# KiCad board teensy_arena_12-12.kicad_pcb (continued)
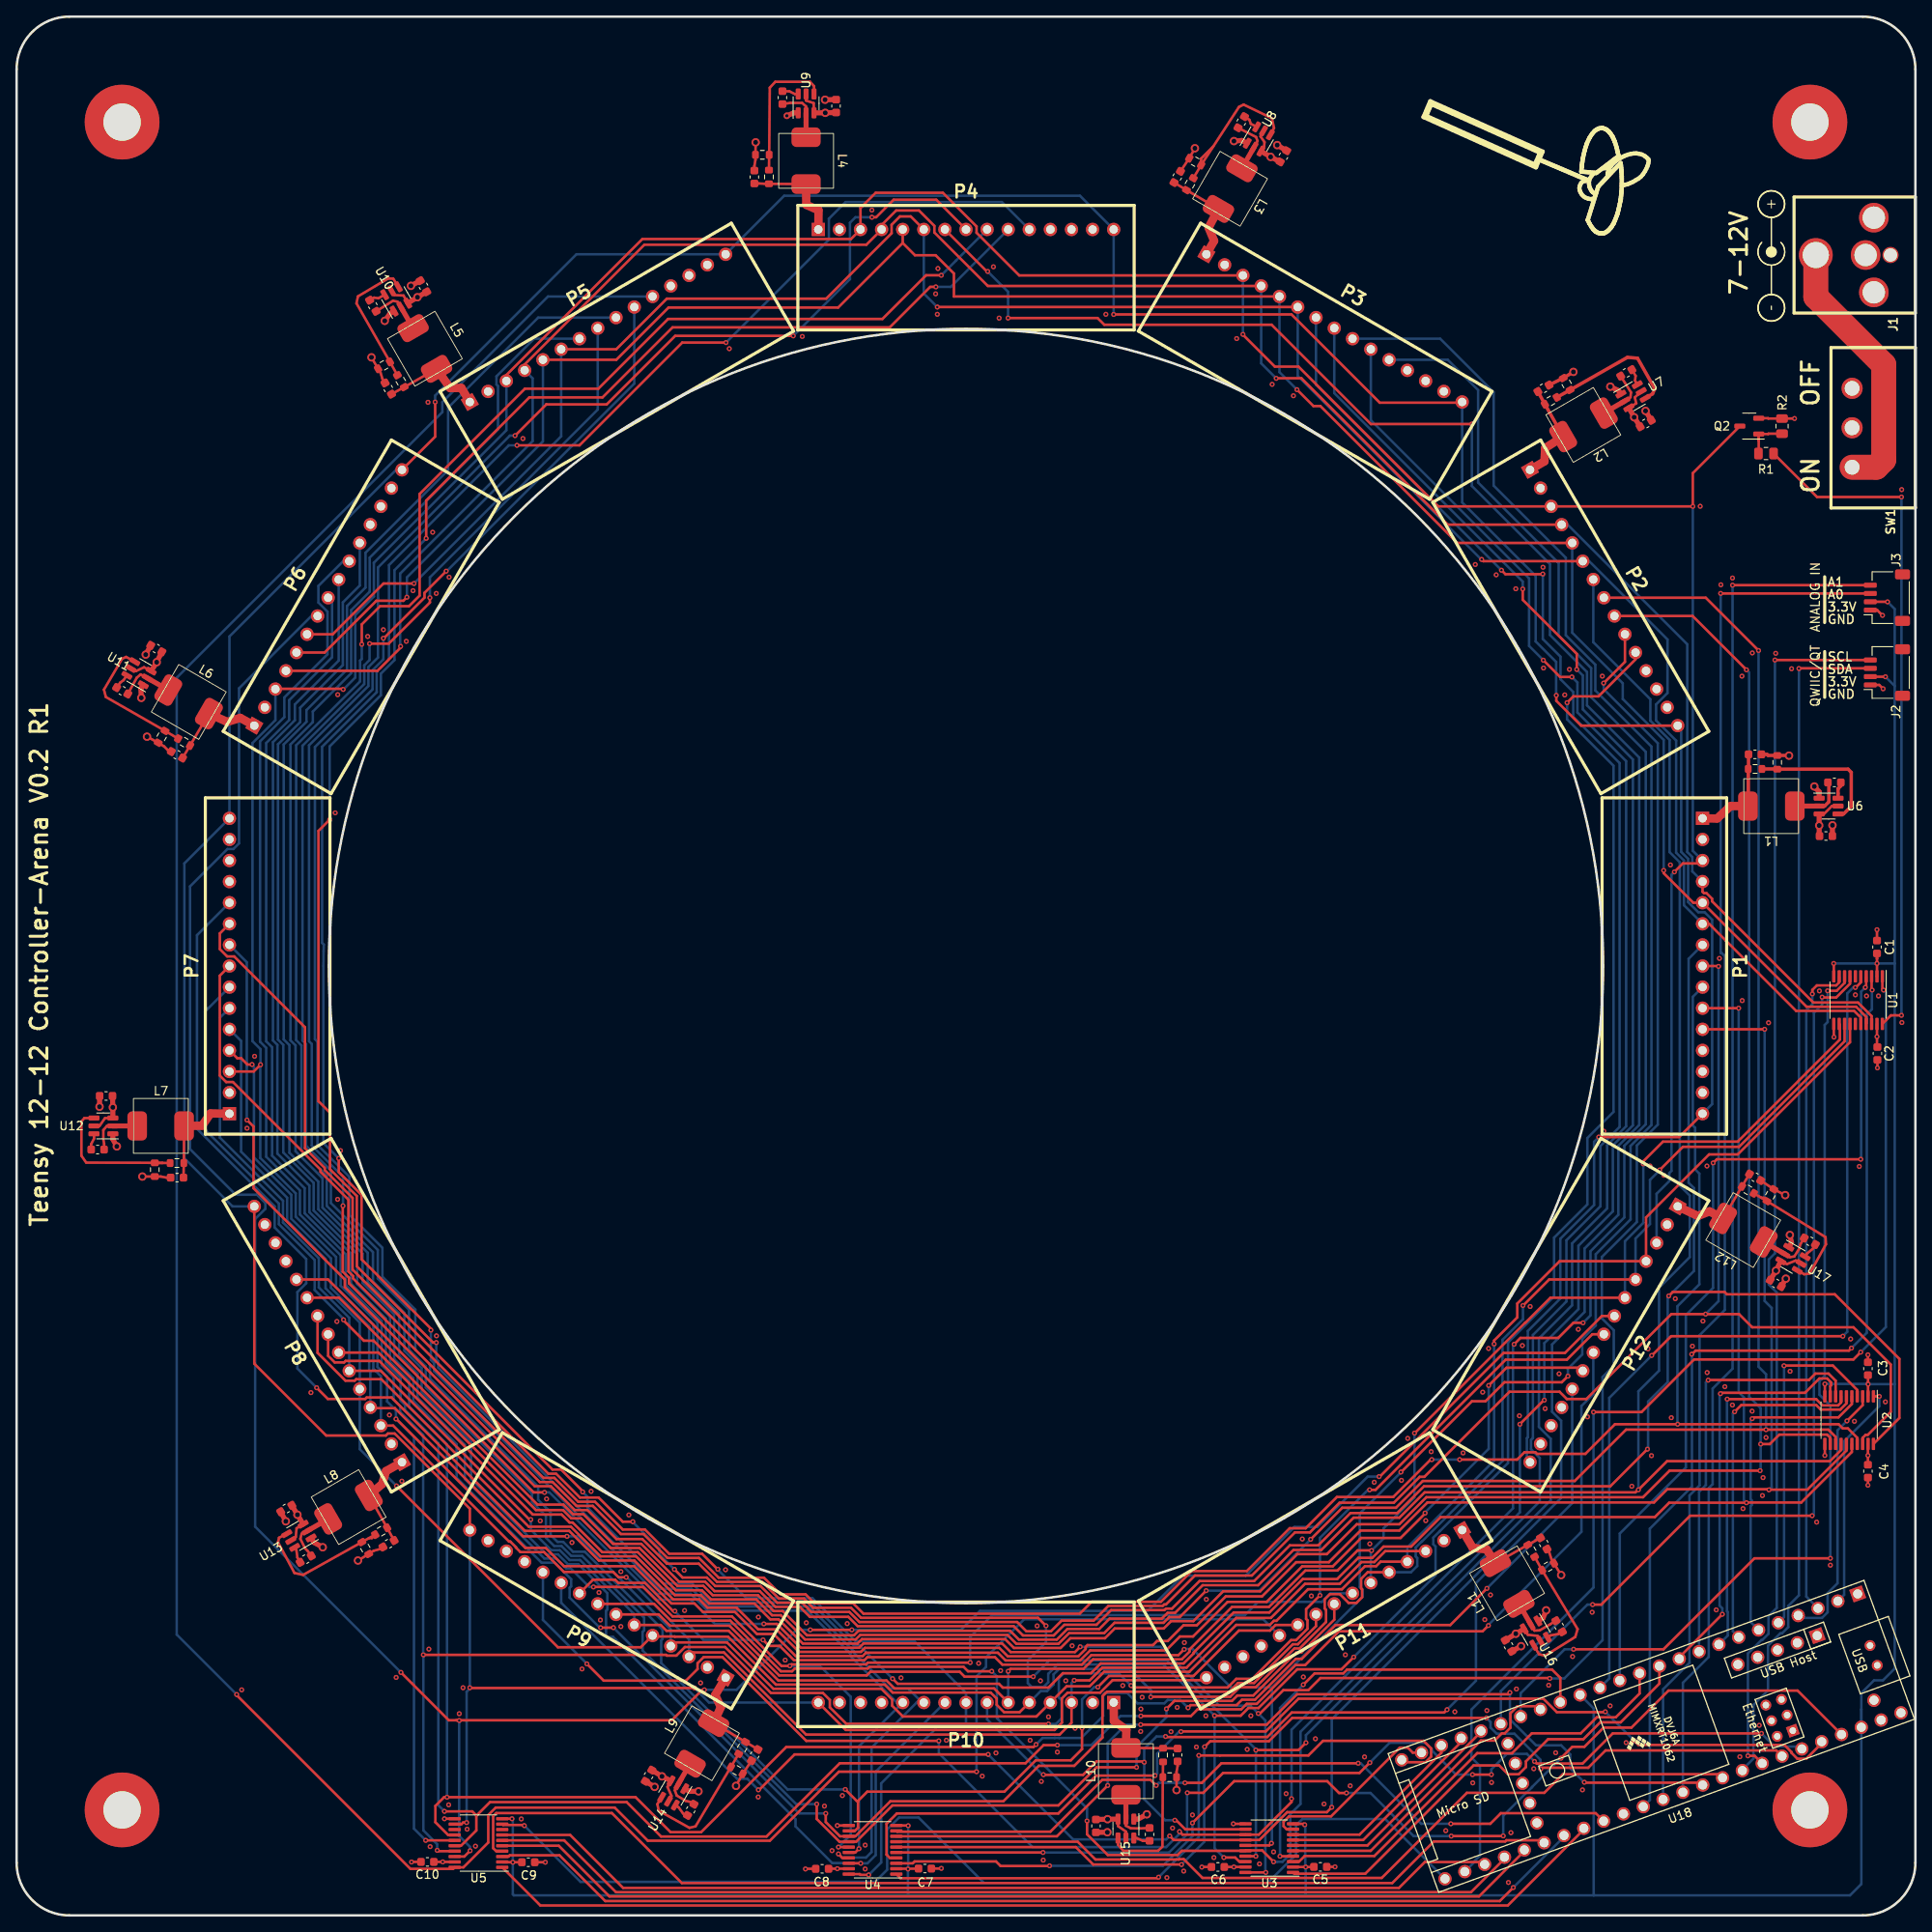
[diagram p0: board, top side]
## Routing (per net, layer and track width the routed paths; a pad name or vN(x,y) marks a point on that pad's centre or on a via; arc(x,y) is an arc through that point) (continued)
/Level Shifters/PAN5V.CS_18: length 301.6
  Top w0.3: U4.17 99.42,6.92 v1(98.94,7.4) ; v1(110.67,196.06) 110,196.06 105.12,191.19 78.97,191.19 70.54,182.75 61.72,182.75 49.31,170.34 v1(49.31,165.79) ; v1(50.53,68.96) 50.14,68.96 40.95,78.15 40.95,86.61 37.73,89.83 37.73,96.64 36.34,98.03 36.34,130.57 v1(37.69,131.91)
  Bottom w0.3: v1(50.53,68.96) 50.53,66.96 50.76,66.72 50.76,65.95 77.39,39.32 81.26,39.32 83.39,37.19 95.41,37.19 100.87,31.72 100.87,31.56 105.13,27.31 107.34,27.31 108.69,25.96 108.36,25.63 ; v1(49.31,165.79) 49.31,165.77 45.49,161.95 45.49,151.13 43.86,149.5 43.86,146.9 37.69,140.74 v1(37.69,131.91) ; P4.10 112.47,196.06 v1(110.67,196.06) ; 108.36,25.63 102.93,20.2 102.93,7.63 102.26,6.96 99.38,6.96 v1(98.94,7.4) ; 108.36,25.63 P10.10
/Level Shifters/PAN5V.CS_19: length 298.3
  Top w0.3: v1(101.42,8.03) 100.96,7.57 U4.16 ; v1(60.25,176.98) 67.76,176.98 80.14,189.36 v1(85.41,189.36) ; v1(38.78,91.14) 38.78,89.49 41.53,86.74 41.53,78.99 49.88,70.65 v1(49.88,70.46)
  Bottom w0.3: v1(85.41,189.36) 97.79,201.74 97.79,204.27 99.8,206.27 118.62,206.27 P4.11 ; v1(60.25,176.98) 59.26,176.98 44.83,162.56 44.83,151.18 43.35,149.71 43.35,147.27 36.78,140.69 36.78,117.08 36.98,116.88 36.95,116.07 36.93,114.3 36.93,92.98 v1(38.78,91.14) ; v1(101.42,8.03) 101.42,8.03 101.42,20.37 P10.11 105.97,25.63 100.37,31.23 100.37,31.51 95.2,36.68 83.18,36.68 81.16,38.71 77.07,38.71 50.26,65.52 50.26,66.52 49.88,66.9 v1(49.88,70.46)
/Level Shifters/PAN5V.CS_20: length 314.2
  Top w0.3: v1(114.81,30.44) 114.8,30.43 102.48,30.43 102.27,30.22 93.27,30.22 v1(93.09,30.04) 93.08,30.03 92.08,30.03 86.12,35.99 78.98,35.99 75.43,39.53 72.23,39.53 72.22,39.55 69.45,39.55 v1(69.45,39.54) ; U4.15 v1(98.94,8.22)
  Bottom w0.3: v1(69.45,39.54) 68.94,39.54 66.71,41.78 66.17,41.78 64.98,42.97 63.54,42.97 53.96,52.54 53.96,56.65 48.26,62.36 48.26,65.2 46.05,67.41 46.05,72.47 42.27,76.25 42.27,79.78 36.83,85.22 36.83,88.75 33.58,92 33.58,104.75 32.97,105.36 32.97,140.97 35.66,143.66 35.66,144.93 40.28,149.55 40.28,157.14 42.51,159.37 42.51,163.46 57.96,178.91 57.96,184.12 57.77,184.31 57.77,185.29 62.31,189.82 P5.7 ; v1(114.81,30.44) 114.81,33.52 117.44,36.15 147.88,36.15 149.47,37.75 157.16,37.75 158.18,38.78 P11.7 ; v1(93.09,30.04) 96.7,30.04 100.42,26.33 100.42,9.7 v1(98.94,8.22)
/Level Shifters/PAN5V.CS_21: length 302.5
  Top w0.3: P11.8 158.64,35.6 154.67,31.64 154.06,31.64 148.89,26.47 146.97,26.47 146.31,25.82 139.39,25.82 v1(138.43,24.86) ; v1(49.76,158.64) 49.76,158.06 44.81,153.11 v1(42.49,153.11) ; v1(96.33,13.4) 96.33,11.61 99.07,8.87 U4.14 101.08,8.87 105.44,13.24 125.42,13.24 130.02,17.83 v1(134.83,17.83)
  Bottom w0.3: v1(42.49,153.11) 42.49,151.14 41.85,150.5 41.85,148.25 34.42,140.82 34.42,105.32 34.85,104.89 34.85,92.66 37.84,89.67 37.84,85.76 43.48,80.11 43.48,76.68 47.24,72.92 47.24,68.12 49.26,66.1 49.26,63.57 62.04,50.78 62.04,49.77 63.73,48.08 63.73,45.47 64.73,44.47 65.6,44.47 66.78,43.28 68.1,43.28 75.55,35.83 75.55,34.31 75.36,34.13 75.36,31.89 93.86,13.4 v1(96.33,13.4) ; v1(138.43,24.86) 138.43,23.88 134.83,20.28 v1(134.83,17.83) ; P5.8 69.96,181.29 49.76,161.08 v1(49.76,158.64)
/Level Shifters/PAN5V.CS_22: length 308.7
  Top w0.3: v1(71.85,34.64) v1(70.31,34.64) ; v1(97.42,12.27) 97.42,11.24 99.13,9.52 U4.13 100.98,9.52 105.19,13.74 118.79,13.74 123.06,18.01 127.33,18.01 130.73,21.41 130.73,26.39 131.28,26.93 146.01,26.93 147.05,27.98 148.98,27.98 153.64,32.64 154.26,32.64 156.44,34.82 P11.9
  Bottom w0.3: v1(71.85,34.64) 94.22,12.27 v1(97.42,12.27) ; v1(70.31,34.64) 70.2,34.64 66.58,38.26 66.58,39.43 66.76,39.62 66.76,40.47 64.77,42.47 63.2,42.47 52.98,52.69 52.98,56.73 47.76,61.94 47.76,64.68 45.46,66.99 45.46,72.35 41.66,76.15 41.66,79.68 36.32,85.02 36.32,88.34 32.84,91.82 32.84,104.78 32.16,105.46 32.16,140.97 34.9,143.71 34.9,145.11 39.78,149.99 39.78,157.63 42.01,159.86 42.01,164.05 51.94,173.99 51.94,181.51 62.79,192.36 P5.9
/Level Shifters/PAN5V.CS_23: length 298.2
  Top w0.3: v1(51.72,161.84) 49.11,159.22 49.11,158.66 44.21,153.76 v1(44.15,153.76) ; v1(130.18,27.48) 131.51,28.82 141.68,28.82 147.15,34.29 150.9,34.29 151.58,34.97 P11.10 ; 100.19,10.17 100.91,10.17 101.3,10.56 101.3,13.78 ; v1(99.77,15.16) 101.15,13.78 101.3,13.78 ; 101.3,13.78 102.41,14.89 118.93,14.89 122.7,18.67 126.92,18.67 128.27,20.02 v1(128.27,22.56)
  Bottom w0.3: v1(44.15,153.76) 44.15,151.22 42.85,149.91 42.85,147.6 35.92,140.67 35.92,105.49 36.22,105.18 36.22,92.76 40.06,88.93 40.06,84.35 44.04,80.37 44.04,76.89 48.01,72.92 48.01,68.06 49.76,66.31 49.76,64.64 62.79,51.61 62.79,50.04 64.29,48.54 64.29,45.8 65.12,44.97 65.81,44.97 66.99,43.78 68.41,43.78 77.76,34.43 77.76,33.27 77.6,33.11 77.6,30.38 92.82,15.16 v1(99.77,15.16) ; v1(128.27,22.56) 128.27,26.01 129.74,27.48 v1(130.18,27.48) ; v1(51.72,161.84) 51.78,161.84 74.36,184.42 P5.10
/Level Shifters/PAN5V.CS_24: length 362.6
  Top w0.3: v1(115.57,17.3) 98.99,17.3 90.68,8.99 75.99,8.99 72,12.98 57.68,12.98 56.78,12.08 56.78,8.77 53.79,5.78 U5.20 52.56,5.6 47.41,5.6 26.49,26.52 v1(26.49,26.59)
  Bottom w0.3: v1(26.49,26.59) 19.28,33.81 19.28,149.01 51.26,180.98 51.26,182.19 63.97,194.9 P5.11 ; P11.11 150.08,35.65 121.3,35.65 116.71,31.06 116.71,29.92 115.57,28.78 v1(115.57,17.3)
/Level Shifters/PAN5V.CS_25: length 334.8
  Top w0.3: U5.18 53.9,7.08 v1(54.59,7.78) ; v1(82.8,27.15) 82.54,27.15 78.88,23.49 52.92,23.49 ; P12.7 190.86,72.16 186.41,67.72 179.01,67.72 164.12,52.83 v1(164.03,52.83) ; 52.92,23.49 53.26,23.49 v1(53.29,23.46) ; 52.92,23.49 52.03,23.49 v1(46.27,29.25) ; v1(95.55,34.37) v1(100.55,34.37)
  Bottom w0.3: v1(82.8,27.15) 82.81,27.16 86.67,27.16 93.88,34.37 v1(95.55,34.37) ; v1(46.27,29.25) 28.72,46.8 28.72,83.84 29.95,85.06 29.95,85.76 28.94,86.77 26.37,86.77 20.88,92.25 20.88,123.88 25.38,128.39 26.1,128.39 26.78,129.06 26.78,147.73 35.49,156.44 P6.7 ; v1(53.29,23.46) 53.28,23.45 53.28,9.56 54.59,8.24 v1(54.59,7.78) ; v1(164.03,52.83) 162.66,52.83 156.6,46.76 153.85,46.76 147.98,40.89 140.41,40.89 136.17,36.65 115.97,36.65 113.69,34.37 v1(100.55,34.37)
/Level Shifters/PAN5V.CS_26: length 341.7
  Top w0.3: v1(124.23,23.04) 124.21,23.06 99.89,23.06 97.91,25.05 97.91,25.94 97.07,26.78 90.82,26.78 85.29,32.31 80.46,32.31 79.43,31.28 78.29,31.28 78.19,31.37 v1(48.97,31.37) ; U5.17 50.74,7.73 v1(50.63,7.84) ; v1(156.92,38.53) 155.25,36.86 155.25,35.69 155.41,35.53 155.41,34.5 154.05,33.14 153.43,33.14 148.77,28.48 146.84,28.48 145.8,27.43 134.4,27.43 v1(134.16,27.67) ; P12.8 189.7,69.96 186.64,66.9 179.27,66.9 163.6,51.23 v1(162.89,51.23)
  Bottom w0.3: v1(134.16,27.67) 132.7,29.13 126.06,29.13 125.48,28.55 125.48,26.24 125.81,25.91 125.81,23.72 125.12,23.04 v1(124.23,23.04) ; v1(162.89,51.23) 162.69,51.23 156.92,45.46 v1(156.92,38.53) ; P6.8 37.98,158.17 37.98,151.46 32.82,146.3 32.82,143.91 30.05,141.14 30.05,105.23 30.76,104.52 30.76,91.47 34.68,87.54 34.68,84.53 39.62,79.59 39.62,75.9 43.95,71.57 43.95,66.24 45.39,64.8 45.39,62.11 46.17,61.33 46.17,60.61 48.95,57.84 48.95,31.39 v1(48.97,31.37) 48.97,10.23 50.63,8.57 v1(50.63,7.84)
/Level Shifters/PAN5V.CS_27: length 342.1
  Top w0.3: v1(135.36,24) 141.38,24 142.18,24.81 147.43,24.81 148.09,25.47 149.31,25.47 153.97,30.13 155.13,30.13 159.21,34.2 176.49,34.2 v1(177.19,34.9) ; 55.32,12.06 54.86,12.52 v1(51.51,12.52) ; 55.42,12.06 57,13.64 73.44,13.64 77.59,9.49 90.28,9.49 99.11,18.32 121.47,18.32 123.64,20.5 v1(125.3,20.5) ; U5.16 53.5,8.38 55.35,10.23 55.35,11.99 55.27,12.06
  Bottom w0.3: P6.9 38.78,151.07 33.5,145.8 33.5,143.89 30.86,141.25 30.86,105.34 31.39,104.81 31.39,91.72 35.26,87.86 35.26,84.67 40.26,79.66 40.26,76.05 44.45,71.86 44.45,66.45 46.23,64.67 46.23,61.98 46.76,61.44 46.76,60.88 50.77,56.87 50.77,13.26 v1(51.51,12.52) ; P12.9 189.82,62.76 188.39,61.32 188.39,46.18 177.19,34.98 v1(177.19,34.9) ; v1(135.36,24) 132.9,24 129.39,20.5 v1(125.3,20.5)
/Level Shifters/PAN5V.CS_28: length 346.1
  Top w0.3: P12.10 188.18,65.94 179.37,65.94 v1(177.23,63.8) ; v1(169.57,48.44) 169.57,48.39 166.62,45.44 161.87,45.44 158.46,42.02 154.77,42.02 150.5,37.74 145.8,37.74 141.63,33.58 140.06,33.58 138.38,31.9 129.25,31.9 128.04,30.69 119.07,30.69 118.14,31.62 102.26,31.62 101.86,31.22 93.8,31.22 91.14,33.88 89.13,33.88 86.47,36.54 82.62,36.54 81.61,37.55 78.83,37.55 74.34,42.04 65.9,42.04 63.71,44.24 61.25,44.24 45.72,59.77 v1(45.67,59.77) ; U5.15 v1(49.25,9.03)
  Bottom w0.3: v1(169.57,48.44) 169.57,48.51 177.23,56.17 v1(177.23,63.8) ; v1(49.25,9.03) 47.84,10.44 47.84,57.6 v1(45.67,59.77) 45.67,60.81 44.6,61.87 44.6,64.88 43.45,66.03 43.45,71.36 39.01,75.8 39.01,79.48 34.1,84.39 34.1,87.28 30.05,91.34 30.05,104.44 29.31,105.18 29.31,141.35 32.23,144.27 32.23,146.63 37.43,151.83 37.43,156.96 36.34,158.05 36.34,160.06 39.32,163.04 P6.10
/Level Shifters/PAN5V.CS_29: length 340.9
  Top w0.3: U5.14 51.95,9.68 50.42,11.21 50.42,13.18 51.47,14.23 v1(51.82,14.23) 74.52,14.23 78.73,10.02 82.41,10.02 92.66,20.27 122.43,20.27 v1(122.73,20.57) ; v1(177.02,39.37) 172.6,34.95 158.79,34.95 154.72,30.88 154.02,30.88 149.1,25.97 147.53,25.97 146.87,25.31 141.35,25.31 v1(141.03,25)
  Bottom w0.3: P6.11 41.32,160.11 39.28,158.07 39.28,150.53 34.14,145.39 34.14,143.66 31.47,141 31.47,105.44 32.11,104.8 32.11,91.85 35.76,88.19 35.76,84.86 41,79.63 41,76.02 44.95,72.06 44.95,66.65 47.26,64.34 47.26,61.25 51.82,56.69 v1(51.82,14.23) ; P12.11 187.28,49.64 v1(177.02,39.37) ; v1(141.03,25) 140.09,25.93 138.58,25.93 138.18,25.53 134.94,25.53 134.46,26.01 134.46,26.02 133.7,26.78 131.03,26.78 130.81,26.56 130.81,24 128.17,21.36 125.54,21.36 125.53,21.37 124.99,21.37 124.98,21.36 123.52,21.36 v1(122.73,20.57)
/Level Shifters/PAN5V.EXT_INT: length 614.8
  Top w0.3: U5.12 53.55,10.98 53.75,11.18 v1(54.18,11.18) ; P1.15 200.16,93.7 v1(190.48,93.7) ; P2.15 188.36,143.24 185.37,146.23 v1(185.37,146.89) ; v1(50.39,182.19) 50.39,178.03 P6.15 ; v1(54.57,27.41) 54.6,27.38 v1(81.61,27.38) ; v1(132.08,192.74) 153.49,192.74 164.11,182.12 173.95,182.12 P3.15 ; P11.15 142.94,28.32 131.95,28.32 130.44,26.81 126.53,26.81 125.85,26.13 125.85,23.21 124.97,22.33 99.82,22.33 P10.15 ; P9.15 54.57,48.96 45.52,58.01 44.7,58.01 44.46,57.77 37.27,57.77 28.62,66.43 P8.15
  Bottom w0.3: P9.15 v1(54.57,27.41) 54.57,27.31 54.18,26.92 v1(54.18,11.18) ; v1(50.39,182.19) 50.39,182.98 67.4,199.98 P5.15 92.41,207.04 128.02,207.04 P4.15 v1(132.08,192.74) ; v1(190.48,93.7) 189.92,93.14 189.92,85.52 185.86,81.46 185.86,74.27 181.94,70.36 181.94,57.56 181.82,57.45 181.82,54.95 P12.15 ; v1(81.61,27.38) 83.36,25.63 P10.15 ; P2.15 200.41,142.82 200.41,128.04 201.24,127.21 201.24,122 202.47,120.77 203.23,120.77 204.13,119.86 204.13,97.68 P1.15 ; P6.15 45.69,174.03 25.63,153.97 P7.15 20.19,126.65 20.19,91.16 25.99,85.36 P8.15 ; P3.15 174.03,170.11 182.88,161.26 182.88,153.38 185.35,150.91 185.35,146.91 v1(185.37,146.89)
/Level Shifters/PAN5V.MISO_0: length 283.4
  Top w0.3: P5.6 72.19,188.55 78.28,194.65 97.47,194.65 105.34,202.52 105.34,203.54 106.35,204.55 107.65,204.55 P4.6 ; P1.6 203.76,119.38 214.24,108.9 221.23,108.9 222.03,108.1 U1.16 ; v1(47.84,160.35) 44.17,160.35 38.06,154.24 P6.6 ; P3.6 v1(110.85,193.63) ; v1(176.38,163.25) 176.59,163.04 P2.6
  Bottom w0.3: v1(47.84,160.35) 65.56,178.07 P5.6 ; P3.6 154.24,185.34 176.33,163.25 v1(176.38,163.25) ; P2.6 189.32,163.04 198.75,153.6 198.75,147.17 197.38,145.8 197.38,143.85 199.8,141.44 199.8,127.94 200.74,127 200.74,121.62 P1.6 ; P4.6 109.22,195.26 v1(110.85,193.63)
/Level Shifters/PAN5V.MISO_1: length 302.9
  Top w0.3: v1(61.9,47.66) 61.74,47.66 43.83,65.56 P8.6 ; P9.6 77.54,34.97 78.24,34.26 85.73,34.26 91.71,28.28 104.72,28.28 105.68,27.33 117.68,27.33 P10.6 ; P12.6 184.66,74.36 181.66,71.37 181.63,71.37 168.33,58.06 v1(168.3,58.06) ; v1(119.38,29.39) 119.68,29.69 128.45,29.69 129.59,30.83 140.28,30.83 141.21,31.76 141.21,32.02 146.33,37.13 150.77,37.13 155.16,41.52 159.02,41.52 161.44,43.94 163.09,43.94 v1(163.12,43.92) ; U1.12 219.51,107.24 219.51,105.45 207.21,93.15 198.2,93.15 195.84,90.79 v1(195.84,90.47)
  Bottom w0.3: P11.6 163.04,43.83 v1(163.12,43.92) 164.57,45.36 164.57,46.59 168.3,50.32 168.3,58.06 v1(168.3,58.06) ; v1(119.38,29.39) P10.6 ; v1(61.9,47.66) 61.9,46.43 64.36,43.97 65.39,43.97 66.58,42.78 67.84,42.78 74.36,36.25 P9.6 ; P12.6 193.63,81.16 195.84,83.37 v1(195.84,90.47) ; P8.6 40.05,71.94 36.38,75.6 36.38,79.11 32.07,83.42 32.07,86.04 24.47,93.64 24.47,108.07 P7.6
/Level Shifters/PAN5V.MOSI_0: length 281.4
  Top w0.3: v1(198.3,125.81) 198.3,125.48 201.85,121.92 P1.5 215.5,109.4 221.46,109.4 222.68,108.18 U1.17 ; P5.5 72.2,187.28 78.49,193.57 98.91,193.57 106.68,201.35 ; 106.68,201.35 108.15,199.87 110.64,199.87 112.84,197.67 112.84,194.9 P3.5 ; 106.68,201.35 P4.5 ; v1(46.99,158.7) 46.56,158.27 43.31,158.27 37.08,152.04 P6.5 ; v1(154.15,183.69) 156.12,181.71 156.97,181.71 173.45,165.24 P2.5
  Bottom w0.3: P5.5 63.36,177.46 46.99,161.09 v1(46.99,158.7) ; v1(154.15,183.69) 152.04,185.8 P3.5 ; v1(198.3,125.81) 198.3,141.52 193.37,146.45 193.37,148.34 187.28,154.43 P2.5
/Level Shifters/PAN5V.MOSI_1: length 311.3
  Top w0.3: P12.5 184.51,76.56 181.37,73.42 v1(181.35,73.42) ; U1.13 220.08,105.24 207.37,92.53 200.61,92.53 v1(197.82,89.74) ; P10.5 120.75,24.46 118.88,24.46 117.99,25.35 117.99,26.1 117.27,26.83 105.47,26.83 104.52,27.78 91.42,27.78 85.65,33.55 79.26,33.55 79.24,33.58 76.44,33.58 75.15,32.28 65.16,32.28 v1(45.74,51.71) ; P11.5 162.66,41.32 161.87,40.52 161.87,39.37 161.99,39.25 161.99,38.3 161.31,37.62 160.36,37.62 159.31,38.67 158.11,38.67 157.49,38.04 157.49,36.94 157.65,36.78 157.65,35.32 154.46,32.14 153.85,32.14 149.19,27.48 147.26,27.48 146.1,26.32 136.59,26.32 v1(136.55,26.28)
  Bottom w0.3: P12.5 194.9,81.49 196.65,83.24 196.65,88.54 197.82,89.71 v1(197.82,89.74) ; v1(45.74,51.71) 41.32,56.13 41.32,71.37 37.19,75.5 37.19,79.04 32.57,83.66 32.57,86.4 27.03,91.95 27.03,105.28 P7.5 ; P10.5 123.3,27.01 124.06,27.01 124.84,27.79 124.84,29.01 125.5,29.67 133.99,29.67 136.55,27.1 v1(136.55,26.28) ; v1(181.35,73.42) 181.35,71.76 178.89,69.3 178.89,54.71 169.19,45.01 169.16,45.01 168.45,44.29 168.45,43.21 168.63,43.02 168.63,42.06 167.88,41.32 P11.5
/Level Shifters/PAN5V.RESET: length 82.7
  Top w0.3: R1.2 216.76,170.76 v1(226.92,170.76) ; v1(226.92,108.36) 225.66,108.36 U1.20
  Bottom w0.3: v1(226.92,108.36) v1(226.92,170.76)
/Level Shifters/PAN5V.SCK_0: length 289.8
  Top w0.3: v1(46.23,152.78) 46.23,152.63 43.44,149.84 P6.4 ; P1.4 202.97,123.24 203.14,123.07 203.45,123.07 204.12,122.4 204.12,122.09 216.31,109.9 221.69,109.9 223.33,108.26 U1.18 ; P2.4 172.31,167.44 154.68,185.06 151.66,185.06 v1(151.65,185.05) ; P3.4 116.93,196.17 110.49,202.61 110.49,203.4 108.64,205.26 105.89,205.26 104.14,203.5 P4.4 102.3,201.14 75.57,201.14 61.16,186.73 P5.4
  Bottom w0.3: P5.4 62.13,185.05 62.13,177.5 46.18,161.54 46.18,152.83 v1(46.23,152.78) ; P2.4 186.73,167.44 201.13,153.03 201.13,128.03 201.74,127.42 201.74,125.69 P1.4 ; P3.4 149.84,186.86 v1(151.65,185.05)
/Level Shifters/PAN5V.SCK_1: length 295.5
  Top w0.3: v1(177.88,68.79) 177.88,69.21 180.67,72 180.67,73.66 185.77,78.76 P12.4 196.17,84.03 203.76,91.62 207.22,91.62 220.73,105.13 U1.14 ; P9.4 79.2,32.86 85.53,32.86 91.11,27.28 104.12,27.28 105.41,25.99 105.41,25.25 106.71,23.95 122.78,23.95 P10.4 126.42,27.58 129.19,27.58 130.93,29.33 141.19,29.33 146.84,34.98 150.88,34.98 151.37,35.47 151.67,35.47 155.47,39.26 159.55,39.26 162.33,42.04 163.67,42.04 164.22,42.59 P11.4 ; P8.4 42.69,61.07 45.54,61.07 60.97,45.64 v1(66.26,45.64) ; v1(28.35,102.44) 27.79,102.44 27.03,103.19 26.57,103.19 P7.4
  Bottom w0.3: P9.4 78.76,34.42 72.68,40.5 72.68,40.5 72.3,40.88 72.3,40.88 67.54,45.64 v1(66.26,45.64) ; P11.4 167.44,44.3 177.88,54.74 v1(177.88,68.79) ; v1(28.35,102.44) 28.58,102.21 28.58,91.24 33.07,86.75 33.07,83.87 37.85,79.1 37.85,75.55 42.44,70.95 42.44,65.62 42.59,65.48 P8.4
/Panel Headers/POW.5V_HDR_1: length 12.3
  Top w0.4: C13.2 208.51,138.06 R3.1 208.47,133.59 208.43,133.55
  Top w1: P1.1 204.72,132.06 206.35,133.55 208.43,133.55
/Panel Headers/POW.5V_HDR_2: length 12.4
  Top w0.4: L2.2 R5.1 C16.2
  Top w1: L2.2 184.02,176.66 183.95,175.06 182.2,174.04
/Panel Headers/POW.5V_HDR_3: length 12.4
  Top w0.3: L3.2 R7.1 C19.2
  Top w1: P3.1 144.17,201.6 143.51,203.2 L3.2
/Panel Headers/POW.5V_HDR_4: length 12.6
  Top w0.3: 95.05,208.43 R9.1 90.02,208.48 89.38,208.51 C22.2
  Top w1: 95.05,208.43 95.07,205.94 96.54,205.28 P4.1
/Panel Headers/POW.5V_HDR_5: length 12.4
  Top w0.3: C25.2 R11.1 L5.2
  Top w1: L5.2 52.2,183.87 53.54,183.9 54.56,182.2
/Panel Headers/POW.5V_HDR_6: length 12.2
  Top w0.3: L6.2 R13.1 C28.2
  Top w1: P6.1 26.92,144.17 25.35,143.69 L6.2
/Panel Headers/POW.5V_HDR_7: length 12.5
  Top w0.3: 20.17,95.05 R15.1 C31.2
  Top w1: P7.1 23.34,96.55 22.33,95.07 20.17,95.05
/Panel Headers/POW.5V_HDR_8: length 12.2
  Top w0.3: C34.2 R17.1 L8.2
  Top w1: 46.4,54.57 44.47,53.49 44.02,51.94 L8.2
/Panel Headers/POW.5V_HDR_9: length 12.4
  Top w0.3: C37.2 87.76,20.88 L9.2
  Top w1: P9.1 84.1,26.52 84.78,25.07 L9.2
/Panel Headers/POW.5V_HDR_10: length 12.5
  Top w0.3: C40.2 R21.1 133.55,20.17
  Top w1: P10.1 132.1,23.42 133.6,22.35 133.55,20.17
/Panel Headers/POW.5V_HDR_11: length 12.4
  Top w0.3: C43.2 R23.1 L11.2
  Top w1: L11.2 176.96,44.07 175.31,44.25 174.03,46.4
/Panel Headers/POW.5V_HDR_12: length 12.3
  Top w0.3: L12.2 207.72,87.76 C46.2
  Top w1: L12.2 203.81,84.76 202.41,84.2 P12.1
/Panel Headers/RESET: length 587.7
  Top w0.3: v1(39.32,147.6) 39.24,147.68 31.19,147.68 P6.3 ; P3.3 120.7,197.44 115.57,202.58 115.57,203.33 111.51,207.39 103.43,207.39 101.6,205.56 P4.3 100.45,201.82 75.33,201.82 58.96,185.45 P5.3 ; P10.3 127,23.19 125.58,21.77 95.05,21.77 85.16,31.66 81.46,31.66 P9.3 ; v1(199.58,125.63) 200.61,126.65 202.62,126.65 P1.3 ; P7.3 28.55,101.6 v1(29.36,102.41) ; P11.3 164.78,43.86 163.46,42.54 161.92,42.54 159.3,39.92 155.11,39.92 151.01,35.81 146.84,35.81 140.85,29.83 130.72,29.83 129.19,28.3 v1(127.33,28.3) ; v1(73.4,40.71) 72.47,40.71 71.83,41.35 65.88,41.35 63.5,43.74 60.66,43.74 60.11,44.28 60.11,44.33 59.44,45.01 59.29,45.01 45.33,58.96 P8.3 ; v1(147.64,190.35) 147.64,190.31 151.49,186.46 154.33,186.46 171.16,169.64 v1(201.8,169.64) 201.8,173.64 Q2.3
  Bottom w0.3: P5.3 58.96,178.8 43.01,162.85 43.01,158.78 40.78,156.55 40.78,149.03 39.34,147.6 v1(39.32,147.6) ; P9.3 80.96,33.21 73.47,40.71 v1(73.4,40.71) ; P10.3 127,27.97 v1(127.33,28.3) ; v1(147.64,190.35) P3.3 ; P8.3 43.86,64.92 42.95,65.83 42.95,71.16 38.46,75.65 38.46,79.27 33.6,84.12 33.6,86.92 29.34,91.19 29.34,102.39 v1(29.36,102.41) 29.36,104.29 28.4,105.26 28.4,141.14 31.16,143.9 P6.3 ; v1(201.8,169.64) 201.8,128.17 P1.3 ; P12.3 197.44,86.88 198.97,88.41 198.97,89.37 199.24,89.64 199.24,125.28 v1(199.58,125.63)
/Power & Voltage Regulators/SW_VCC: length 33
  Top w0.3: 217.32,199.69 217.12,199.9 J1.1
  Top w3: SW1.1 223.88,174.35 224.79,175.26 224.79,186.69 216.61,194.87 J1.1
/Teensy/A0: length 166.6
  Top w0.3: J3.3 205.16,159.15 v1(205.16,159.16)
  Bottom w0.3: v1(205.16,159.16) 205.16,115.86 205.27,115.86 205.65,115.48 205.65,72.89 202.62,69.85 202.62,51.77 201.41,50.56 201.41,30.41 198.22,27.22 U18.36
/Teensy/A1: length 164.4
  Top w0.3: J3.4 v1(206.59,160.15)
  Bottom w0.3: v1(206.59,160.15) 206.59,65.82 204.19,63.42 204.19,51.92 203.72,51.44 203.72,31.11 200.61,28.01 U18.37
/Teensy/SCL: length 147.7
  Top w0.3: U18.41 209.25,19.21 v1(208.44,19.21) ; J2.4 v1(211.69,151.14)
  Bottom w0.3: v1(208.44,19.21) 208.44,31.53 210.06,33.15 210.16,33.15 210.92,33.9 210.92,36.02 211.91,37.02 211.91,74.99 210.96,75.95 210.96,78.97 211.69,79.71 v1(211.69,151.14)
/Teensy/SDA: length 144.2
  Top w0.3: J2.3 214.6,150.14 v1(214.58,150.11)
  Bottom w0.3: U18.40 207.77,17.55 209.1,18.88 209.1,25.34 210.85,27.08 210.85,32.47 212.34,33.96 212.55,33.96 213.29,34.7 213.29,37.25 214.58,38.54 v1(214.58,150.11)
Net-(Q2-G): length 6
  Top w0.3: 209.74,177.57 209.74,176.03 R1.1 ; 209.74,177.57 Q2.1 ; 209.74,177.57 Q2.1 ; Q2.1 210.86,178.35 210.9,178.39 R2.2
Net-(U6-SW): length 6.7
  Top w0.3: 214.08,133.55 L1.1 ; 217.01,133.55 U6.2
  Top w0.4: 217.01,133.55 217.67,133.55 218.19,134.07 218.19,136.28 C12.2
  Top w0.6: 214.08,133.55 217.01,133.55
Net-(U6-VBST): length 2.6
  Top w0.3: U6.6 219.29,135.06 219.29,135.07 ; C12.1 219.62,136.4
  Top w0.4: 219.29,134.5 219.29,135.63 219.28,135.64 219.62,135.98 219.62,136.4
Net-(U6-VFB): length 17
  Top w0.3: 219.29,132.6 U6.4
  Top w0.4: R3.2 211.94,138.02 R4.1 220.5,138 220.88,137.62 220.88,133.53 219.95,132.6 219.29,132.6
Net-(U7-SW): length 6.7
  Top w0.3: U7.2 194.3,182.77 194.36,183.36 C15.2
  Top w0.6: L2.1 U7.2
Net-(U7-VBST): length 2.3
  Top w0.3: 194.98,184.54 U7.6 195.12,184.4 194.98,184.54 ; 194.98,184.54 194.84,184.79 194.92,185.34 C15.1
Net-(U7-VFB): length 17.5
  Top w0.3: U7.4 196.34,182.91 196.51,182.91 ; R6.1 187.03,183.66 ; R5.2 185.42,182.76
  Top w0.4: U7.4 196.95,183.19 197.23,183.79 195.15,187.48 193.93,187.58 187.03,183.66 185.42,182.76
Net-(U8-SW): length 6.7
  Top w0.3: C18.2 149.22,214.1 149.4,213.61 U8.2
  Top w0.6: L3.1 U8.2
Net-(U8-VBST): length 2
  Top w0.3: C18.1 148.41,216.18 148.59,215.7 U8.6
Net-(U8-VFB): length 19.6
  Top w0.3: 150.96,214.4 151.38,215.19 151.13,216.36 147.73,218.01 147.17,217.73 144.07,212.97 ; 150.96,214.4 150.94,214.39 U8.4 150.96,214.4 ; R8.1 142.61,211.51 144.07,212.97 ; R8.1 144.07,212.97 ; R8.1 R7.2
Net-(U9-SW): length 8.5
  Top w0.3: L4.1 95.05,214.82 95.05,214.82 ; 95.05,215.91 95.05,215.91 U9.2 ; 95.05,217.01 95.05,217.78 94.56,218.21 93.17,218.21 C21.2
  Top w0.6: 95.05,214.08 95.05,217.01
Net-(U9-VBST): length 2
  Top w0.3: C21.1 93.04,219.61 93.7,219.28 U9.6
Net-(U9-VFB): length 16.7
  Top w0.3: U9.4 96.01,220.22 95.53,220.75 91.34,220.75 90.68,220.04 R10.1 R9.2
Net-(U10-SW): length 6.7
  Top w0.3: U10.2 45.85,194.28 45.31,194.39 C24.2
  Top w0.6: L5.1 U10.2
Net-(U10-VBST): length 2
  Top w0.3: U10.6 43.56,194.69 43.03,194.77 C24.1
Net-(U10-VFB): length 16.8
  Top w0.3: R12.1 44.95,187.03 ; 44.95,187.03 44.94,187.03 40.92,194.08 41.1,194.92 44.73,197.08 45.34,197.05 U10.4 ; 44.95,187.03 45.84,185.42 R11.2
Net-(U11-SW): length 6.8
  Top w0.3: 13.44,147.15 C27.2 13.38,147.09 13.44,147.15 ; 13.44,147.15 14.48,149.02 14.94,149.4 U11.2
  Top w0.6: L6.1 U11.2
Net-(U11-VBST): length 2.1
  Top w0.3: 12.1,147.91 12.04,147.85 C27.1 12.1,147.91 ; 12.1,147.91 12.47,148.41 12.88,148.72 U11.6
Net-(U11-VFB): length 17
  Top w0.3: 14.2,150.96 U11.4 14.21,150.96 14.2,150.96 ; 14.2,150.96 13.18,151.51 12.7,151.28 10.52,147.57 10.74,146.69 R14.1 R13.2
Net-(U12-SW): length 6.7
  Top w0.3: C30.2 10.54,92.89 10.44,93.42 10.44,94.54 10.87,95.05 11.59,95.05 U12.2 ; 14.52,95.05 L7.1
  Top w0.6: 14.52,95.05 11.59,95.05
Net-(U12-VBST): length 2
  Top w0.3: U12.6 9.32,93.52 8.97,92.84 C30.1
Net-(U12-VFB): length 17.9
  Top w0.3: 17.56,90.59 16.65,90.59 R16.1 ; 17.56,90.59 R16.1 ; 17.56,90.59 R15.2 ; R16.1 8.38,90.63 7.8,91.47 7.8,95.58 8.15,95.99 U12.4
Net-(U13-SW): length 6.8
  Top w0.3: C33.2 35.08,43.84 34.72,44.2 34.16,45.34 34.32,45.95 U13.2
  Top w0.6: L8.1 U13.2
Net-(U13-VBST): length 2
  Top w0.3: U13.6 33.68,43.99 33.81,43.08 C33.1
Net-(U13-VFB): length 17.7
  Top w0.3: 42.43,45.43 41.57,44.95 ; 42.43,45.43 43.18,45.84 ; 42.43,45.43 42.76,45.43 R17.2 ; 41.57,44.95 41.57,44.95 34.49,41 33.45,41.22 31.47,44.93 31.6,45.47 U13.4 ; 41.57,44.95 R18.1
Net-(U14-SW): length 7.5
  Top w0.3: C36.2 81.1,13.67 80.54,13.79 79.48,14.43 79.25,15.06 U14.2 79.62,15.92 79.68,15.98 79.68,15.99 80,16.3 80,16.38
  Top w0.6: U14.2 L9.1
Net-(U14-VBST): length 2.6
  Top w0.3: 79.5,13.14 79.44,13.14 U14.6 ; 79.5,13.14 79.71,13 80.24,12.27 80.51,12.15 ; 79.5,13.14 79.3,13.28 ; 80.51,12.15 80.66,12.15 C36.1 80.51,12.15
Net-(U14-VFB): length 17.5
  Top w0.3: 77.4,13.81 77.14,13.39 77.32,12.6 81,10.54 81.74,10.72 R20.1 R19.2 ; 77.4,13.81 U14.4 77.66,14.07 77.4,13.81
Net-(U15-SW): length 8.5
  Top w0.3: U15.2 133.55,12.69 133.55,12.69 ; 133.55,13.78 133.55,13.78 L10.1 ; C39.2 135.2,10.47 134.14,10.49 133.55,10.8 133.55,11.59
  Top w0.6: 133.55,11.59 133.55,14.52
Net-(U15-VBST): length 2.2
  Top w0.3: 134.69,9.3 134.87,9.3 135.61,8.97 136.4,8.98 C39.1 ; 134.69,9.3 134.51,9.3 U15.6 ; 134.69,9.3 134.5,9.31
Net-(U15-VFB): length 16.9
  Top w0.3: R21.2 R22.1 137.95,8.28 137.41,7.77 133.25,7.77 132.61,8.48 132.6,9.31 U15.4
Net-(U16-SW): length 6.6
  Top w0.3: C42.2 184.68,35.08 183.36,34.31 182.73,34.29 U16.2
  Top w0.6: L11.1 U16.2
Net-(U16-VBST): length 2.2
  Top w0.3: 184.49,33.59 184.68,33.71 185.62,33.88 C42.1 ; 184.49,33.59 U16.6 184.4,33.59 184.49,33.59
Net-(U16-VFB): length 17.4
  Top w0.3: U16.4 183.29,31.45 184.02,31.27 187.66,33.53 187.94,34.47 183.66,41.57 ; R24.1 183.66,41.57 ; 183.66,41.57 182.76,43.18 R23.2
Net-(U17-SW): length 6.7
  Top w0.3: C45.2 214.78,80.85 214.58,80.21 214.02,79.32 213.49,79.25 U17.2
  Top w0.6: L12.1 U17.2
Net-(U17-VBST): length 2.2
  Top w0.3: 215.42,79.48 215.52,79.65 216.23,80.24 C45.1 ; 215.42,79.48 215.32,79.3 ; 215.42,79.48 215.32,79.38 U17.6
Net-(U17-VFB): length 17.5
  Top w0.3: 214.4,77.64 U17.4 214.39,77.64 214.4,77.64 ; 214.4,77.64 215.21,77.19 215.88,77.27 217.83,80.8 217.78,81.66 R26.1 ; R26.1 210.32,86.4 210.04,86.4 ; R26.1 210.04,86.4 ; 210.04,86.4 R25.2

## Copper pours and planes (outline as drawn; the poured copper is in the pictures)
+5V on In3.Cu: 6.1,227.58 1.02,222.5 1.02,6.1 6.1,1.02 222.5,1.02 227.58,6.1 227.58,222.5 222.5,227.58
GND on In1.Cu: 1.02,222.5 1.02,6.1 6.1,1.02 222.5,1.02 227.58,6.1 227.58,222.5 222.5,227.58 6.1,227.58
GND on In4.Cu: 6.1,227.58 1.02,222.5 1.02,6.1 6.1,1.02 222.5,1.02 227.58,6.1 227.58,222.5 222.5,227.58
VCC on In2.Cu: 1.02,222.5 1.02,6.1 6.1,1.02 222.5,1.02 227.58,6.1 227.58,222.5 222.5,227.58 6.1,227.58

## Text on the board
F.Silkscreen: ANALOG IN | QWIIC/QT | A1 | A0 | 3.3V | GND | SCL | SDA | 7-12V | ON    OFF | Teensy 12-12 Controller-Arena V0.2 R1
